# Altium PCB 2226_RegThermique.PcbDoc (part 1 of 2) (continued)
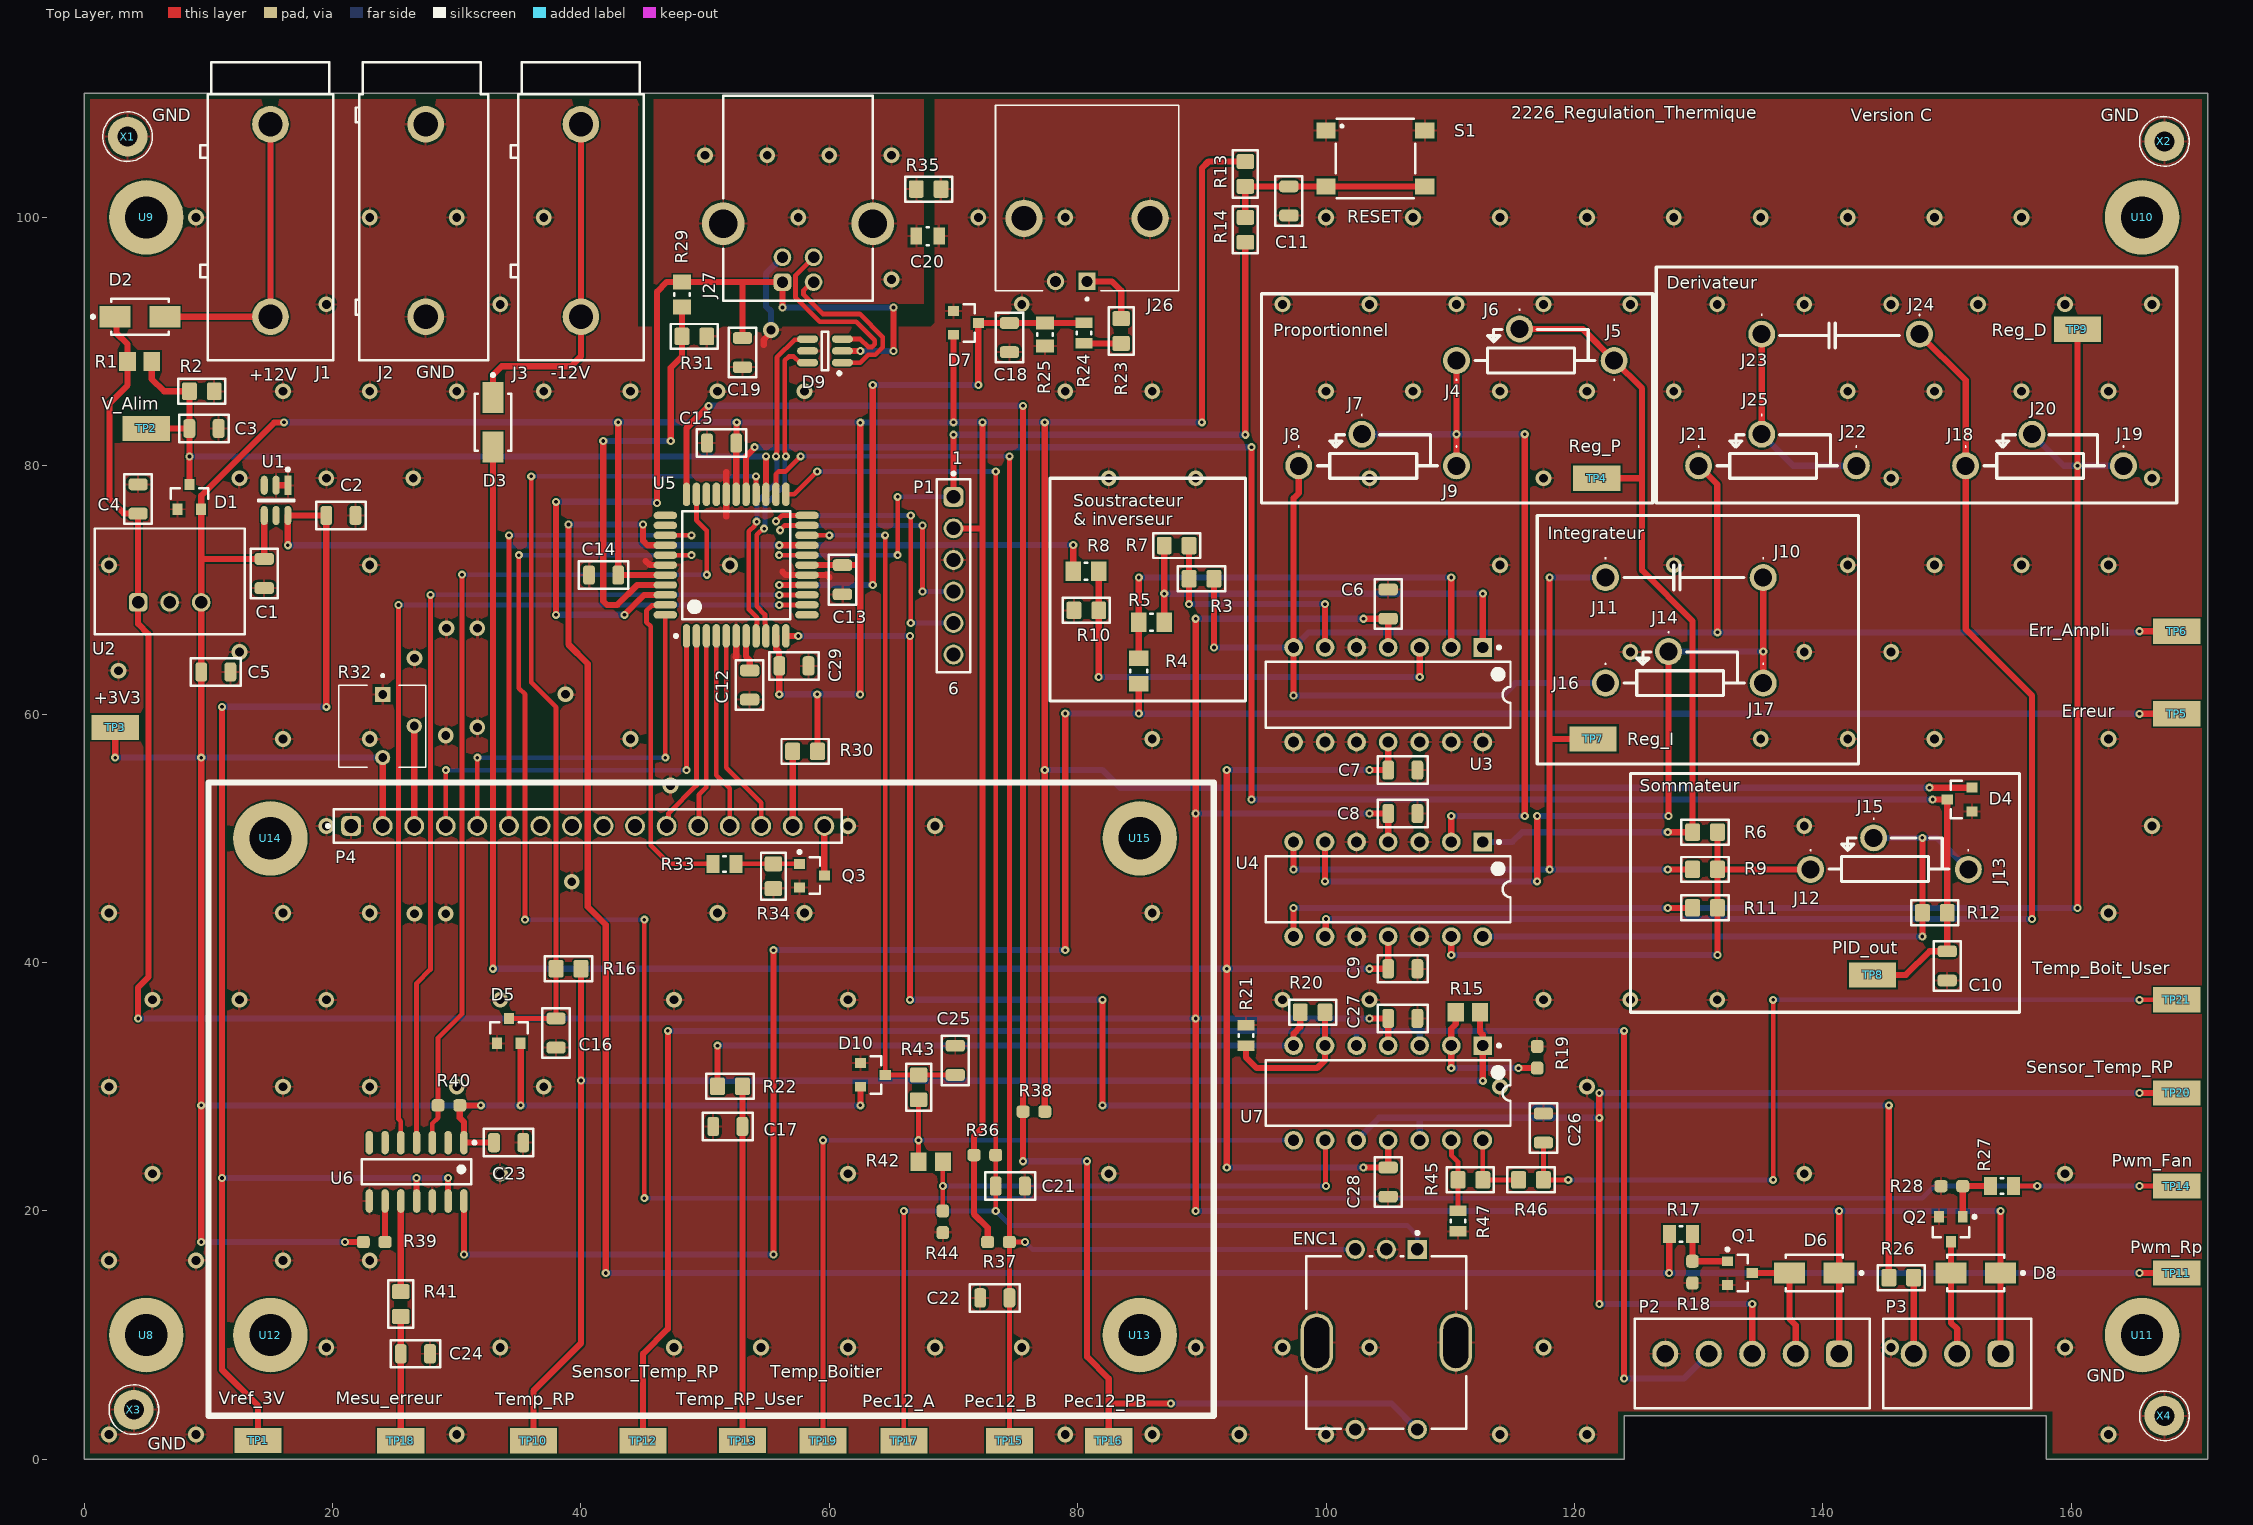
[diagram p0: Top Layer view]
## Components (designator, comment, footprint, x,y, rotation, side; value= is the part's Value field where it differs from the comment)
C1 "100nF" CAPC2012X08M 14.5,71.325 r90 top
C2 "100nF" CAPC2012X08M 20.675,76.001 r180 top
C3 "100nF" CAPC2012X08M 9.65,83.002 r180 top
C4 "10uF" CAPC2012X08M 4.345,77.325 r270 top value=10µF
C5 "10uF" CAPC2012X08M 10.6,63.398 r180 top value=10µF
C6 "100nF" CAPC2012X08M 105,68.861 r270 top
C7 "100nF" CAPC2012X08M 106.175,55.5 r180 top
C8 "100nF" CAPC2012X08M 106.175,52 r180 top
C9 "100nF" CAPC2012X08M 106.175,39.5 r180 top
C10 "100nF" CAPC2012X08M 150.015,39.73 r90 top
C11 "100nF" CAPC2012X08M 97,101.325 r90 top
C12 "10uF" CAPC2012X08M 53.586,62.347 r90 top value=10µF
C13 "100nF" CAPC2012X08M 61.05,70.825 r90 top
C14 "100nF" CAPC2012X08M 41.825,71.2 r0 top
C15 "100nF" CAPC2012X08M 51.325,81.831 r0 top
C16 "100nF" CAPC2012X08M 38,34.325 r90 top
C17 "100nF" CAPC2012X08M 51.825,26.8 r0 top
C18 "100nF" CAPC2012X08M 74.5,90.326 r90 top
C19 "100nF" CAPC2012X08M 53,89.116 r90 top
C20 "4.7nF" FP-AC0805-0_85-MFG 67.925,98.5 r0 top value="4.7 nF"
C21 "10uF" CAPC2012X08M 74.575,22 r180 top value=10µF
C22 "10uF" CAPC2012X08M 73.325,13 r0 top value=10µF
C23 "10uF" CAPC2012X08M 34.175,25.5 r180 top value=10µF
C24 "100nF" CAPC2012X08M 26.671,8.5 r180 top
C25 "100nF" CAPC2012X08M 70.14,32.125 r270 top
C26 "100nF" CAPC2012X08M 117.5,26.675 r270 top
C27 "100nF" CAPC2012X08M 106.175,35.5 r180 top
C28 "100nF" CAPC2012X08M 105,22.325 r90 top
C29 "100nF" CAPC2012X08M 57.151,63.891 r180 top
D1 "BAT54S-7-F" FP-SOT23-MFG 8.475,77.5 r90 top
D2 "SK56A" FP-SMA-MFG 4.5,92 r0 top
D3 "SK56A" FP-SMA-MFG 32.91,83.505 r270 top
D4 "BAT54S-7-F" FP-SOT23-MFG 151.015,53.13 r180 top
D5 "BAT54S-7-F" FP-SOT23-MFG 34.2,34.5 r90 top
D6 "SK56A" FP-SMA-MFG 139.315,15 r180 top
D7 "BAT54S-7-F" FP-SOT23-MFG 71,91.501 r0 top
D8 "SK56A" FP-SMA-MFG 152.315,15 r180 top
D9 "USBLC6-2" STM-SOT23-6L_V 59.65,89.25 r180 top
D10 "BAT54S-7-F" FP-SOT23-MFG 63.5,30.95 r0 top
ENC1 "PEC12R-4220F-S0024" FP-PEC12R-4220F-S0024-MFG 104.85,9.4 r180 top
J1 "24.243.1" FP-24_243_1-MFG 14.7,100.5 r270 top
J2 "24.243.2" FP-24_243_2-MFG 27.2,100.5 r270 top
J3 "24.243.5" FP-24_243_5-MFG 39.7,100.5 r270 top
J4 "0338-0-15-15-15-27-10-0" 0338015151527100 110.5,88.475 r180 top locked
J5 "0338-0-15-15-15-27-10-0" 0338015151527100 123.2,88.475 r180 top locked
J6 "0338-0-15-15-15-27-10-0" 0338015151527100 115.58,91.015 r0 top locked
J7 "0338-0-15-15-15-27-10-0" 0338015151527100 102.88,82.54 r0 top locked
J8 "0338-0-15-15-15-27-10-0" 0338015151527100 97.8,80 r0 top locked
J9 "0338-0-15-15-15-27-10-0" 0338015151527100 110.5,80 r0 top locked
J10 "0338-0-15-15-15-27-10-0" 0338015151527100 135.2,71 r0 top locked
J11 "0338-0-15-15-15-27-10-0" 0338015151527100 122.5,71 r0 top locked
J12 "0338-0-15-15-15-27-10-0" 0338015151527100 139.015,47.5 r0 top
J13 "0338-0-15-15-15-27-10-0" 0338015151527100 151.715,47.5 r0 top locked
J14 "0338-0-15-15-15-27-10-0" 0338015151527100 127.58,65.04 r0 top
J15 "0338-0-15-15-15-27-10-0" 0338015151527100 144.095,50.04 r0 top
J16 "0338-0-15-15-15-27-10-0" 0338015151527100 122.5,62.5 r0 top
J17 "0338-0-15-15-15-27-10-0" 0338015151527100 135.2,62.5 r0 top locked
J18 "0338-0-15-15-15-27-10-0" 0338015151527100 151.5,80 r0 top locked
J19 "0338-0-15-15-15-27-10-0" 0338015151527100 164.2,80 r0 top locked
J20 "0338-0-15-15-15-27-10-0" 0338015151527100 156.85,82.54 r0 top locked
J21 "0338-0-15-15-15-27-10-0" 0338015151527100 130,80 r0 top locked
J22 "0338-0-15-15-15-27-10-0" 0338015151527100 142.7,80 r0 top locked
J23 "0338-0-15-15-15-27-10-0" 0338015151527100 135.08,90.6 r0 top locked
J24 "0338-0-15-15-15-27-10-0" 0338015151527100 147.78,90.6 r0 top locked
J25 "0338-0-15-15-15-27-10-0" 0338015151527100 135.08,82.54 r0 top locked
J26 "CONBNC002" LINX_CONBNC002 80.754,99.927 r180 top
J27 "61400416121" 61400416121 57.48,101.53 r180 top
P1 "61300611121" 61300611121 70,71.15 r270 top
P2 "691321100005" 691321100005 134.315,7.7 r180 top
P3 "691321100003" 691321100003 150.815,7.7 r180 top
P4 "61301611121" 61301611121 40.55,51 r0 top locked
Q1 "MGSF1N03LT1G" ONSC-SOT-23-3-318-08_V 133.315,15 r0 top
Q2 "MGSF1N03LT1G" ONSC-SOT-23-3-318-08_V 150.315,18.525 r270 top
Q3 "MGSF1N03LT1G" ONSC-SOT-23-3-318-08_V 58.6,47 r0 top
R1 "30k" RESC2013X50X40ML20T20 4.475,88.4 r180 top
R2 "10k" RESC2012X06M 9.475,86 r180 top
R3 "10k" RESC2012X06M 89.97,70.9 r0 top
R4 "3k" RESC2013X60X30ML20T20 84.92,63.475 r90 top
R5 "20k" RESC2013X60X30ML20T20 85.945,67.4 r0 top
R6 "10k" RESC2012X06M 130.515,50.5 r0 top
R7 "10k" RESC2012X06M 87.97,73.575 r0 top
R8 "13k" RESC2013X60X30ML20T20 80.667,71.5 r0 top
R9 "10k" RESC2012X06M 130.515,47.5 r0 top
R10 "10k" RESC2012X06M 80.692,68.361 r0 top
R11 "10k" RESC2012X06M 130.515,44.401 r0 top
R12 "560R" RESC2012X06M 149.015,44 r0 top value=560
R13 "10k" RESC2012X06M 93.5,103.5 r90 top
R14 "1k0" RESC2012X06M 93.5,99 r270 top value=1k
R15 "20k" RESC2013X55X40ML15T20 111.42,36 r0 top
R16 "560R" RESC2012X06M 39,39.5 r180 top value=560
R17 "200R" RESC2013X50X30NL20T20 128.575,18.15 r0 top
R18 "10k" RESC1608X06M 129.5,15.075 r90 top
R19 "10k" RESC1608X06M 117,32.375 r90 top
R20 "180k" RESC2012X06M 98.92,36 r180 top
R21 "20k" RESC2013X60X30LL20T20 93.55,34.135 r270 top
R22 "560R" RESC2012X06M 52,30.028 r0 top value=560
R23 "680k" RESC2012X06M 83.5,90.85 r270 top
R24 "20k" RESC2013X60X30LL20T20 80.5,90.675 r270 top
R25 "300k" RESC2013X50X30NL20T20 77.376,90.576 r90 top
R26 "1k5" RESC2012X06M 146.315,14.625 r180 top value=1.5k
R27 "200R" RESC2013X50X30NL20T20 154.425,22 r180 top
R28 "10k" RESC1608X06M 150.39,22 r0 top
R29 "51k" RESC2013X60X35ML10T20 48.135,93.79 r270 top
R30 "15R" RESC2012X06M 58.05,57 r0 top value=15
R31 "100k" RESC2012X06M 49.135,90.416 r180 top
R32 "1k" TRIM_3362P-1-102LF 24.04,59.04 r270 top
R33 "200R" RESC2013X50X30NL20T20 51.575,47.95 r180 top
R34 "100k" RESC2012X06M 55.5,46.95 r270 top
R35 "1M" RESC2012X06M 68,102.28 r0 top
R36 "10k" RESC1608X06M 72.525,24.5 r180 top
R37 "10k" RESC1608X06M 73.625,17.5 r180 top
R38 "10k" RESC1608X06M 76.475,28 r0 top
R39 "10k" RESC1608X06M 23.351,17.5 r180 top
R40 "10k" RESC1608X06M 29.371,28.5 r0 top
R41 "150R" RESC2012X06M 25.496,12.5 r90 top value=150
R42 "20k" RESC2013X55X40ML15T20 68.165,23.95 r180 top
R43 "560R" RESC2012X06M 67.19,29.95 r90 top value=560
R44 "10k" RESC1608X06M 69.14,19.125 r270 top
R45 "180k" RESC2012X06M 111.62,22.5 r0 top
R46 "560R" RESC2012X06M 116.5,22.5 r0 top value=560
R47 "20k" RESC2013X60X30LL20T20 110.62,19.175 r90 top
S1 "430182043816" 430182043816 103.975,104.75 r0 top
TP1 "Vref_3V" KSTN-5019_V 14,1.524 r0 top
TP2 "I_Mesure" KSTN-5019_V 5,83.003 r180 top value=5019
TP3 "3,3V" KSTN-5019_V 2.5,58.936 r0 top value=5019
TP4 "Reg_P" KSTN-5019_V 121.8,79 r0 top value=5019
TP5 "Erreur" KSTN-5019_V 168.5,60.03 r0 top
TP6 "Erreur_ampli" KSTN-5019_V 168.5,66.675 r0 top
TP7 "Reg_I" KSTN-5019_V 121.5,58.011 r0 top value=5019
TP8 "PID_OUT" KSTN-5019_V 144,39 r0 top value=5019
TP9 "Reg_D" KSTN-5019_V 160.5,91 r0 top value=5019
TP10 "Temp_MCU" KSTN-5019_V 36.175,1.499 r0 top
TP11 "PWM_RP" KSTN-5019_V 168.5,15 r0 top value=5019
TP12 "Sensor_Temp" KSTN-5019_V 45,1.5 r0 top
TP13 "Temp_User" KSTN-5019_V 53,1.504 r0 top
TP14 "PWM_Fan" KSTN-5019_V 168.5,22 r0 top value=5019
TP15 "P12_B" KSTN-5019_V 74.5,1.5 r180 top value=5019
TP16 "P12_PB" KSTN-5019_V 82.5,1.499 r0 top value=5019
TP17 "P12_A" KSTN-5019_V 66.015,1.501 r0 top value=5019
TP18 "Mesure_Erreur" KSTN-5019_V 25.496,1.5 r180 top
TP19 "Temp_MCU" KSTN-5019_V 59.5,1.5 r0 top
TP20 "Sensor_Temp" KSTN-5019_V 168.5,29.5 r0 top
TP21 "Temp_User" KSTN-5019_V 168.5,37 r180 top
U1 "LT1790-3.0" FP-S6-6-05-08-1636-IPC_A 15.45,77.216 r270 top
U2 "173950336" WPME-FDSM_SIP-3_L11.6W7.55H10.16 6.885,70.7 r0 top
U3 "LM6134BIN" N14A 105,61.561 r270 top
U4 "LM6134BIN" N14A 105,45.901 r270 top
U5 "PIC32MX230F064D-I/PT" MCHP-TQFP-PT44_M 52.5,72 r90 top
U6 "MCP4922-E/SL" SOIC-SL14_L 26.766,23.15 r270 top
U7 "LM6134BIN" N14A 105,29.5 r270 top
U8 "3.4" MECH-PHD340#1 90,23 r90 top
U9 "3.4" MECH-PHD340#2 16.5,97.5 r90 top
U10 "3.4" MECH-PHD340#3 94.5,30.5 r90 top
U11 "3.4" MECH-PHD340#4 103.5,25 r90 top
U12 "3.4" MECH-PHD340#5 14,9.5 r90 top
U13 "3.4" MECH-PHD340#6 32.5,26.5 r90 top
U14 "3.4" MECH-PHD340#7 62.5,37 r90 top
U15 "3.4" MECH-PHD340#8 72,19 r90 top
X1 "5011" Keystone_5011 3.5,106.5 r180 top
X2 "5011" Keystone_5011 167.5,106.125 r180 top
X3 "5011" Keystone_5011 4,4 r180 top
X4 "5011" Keystone_5011 167.5,3.5 r180 top

## Footprints (in the part's own frame and the unit in brackets; to place one, negate y for a bottom-side part, rotate by r counter-clockwise, add the part's x,y. Pads: shape width x height; smd on the part's side, far side on the other; paste and mask are expansions set on the pad)
61300611121 [mm] "Pin Header, pitch 2.54 mm, THT, Vertical, single row, 6p"
  rrect50% 1.6x1.6 hole 1.1: 1(-6.35,0)
  round 1.6 hole 1.1: 2(-3.81,0) 3(-1.27,0) 4(1.27,0) 5(3.81,0) 6(6.35,0)
  silkscreen extent -8.34,-1.35 7.77,1.35, body extent -7.62,-1.27 7.62,1.27, height 8.57
61301611121 [mm] "Pin Header, pitch 2.54 mm, THT, Vertical, single row, 16p"
  rrect50% 1.6x1.6 hole 1.1: 1(-19.05,0)
  round 1.6 hole 1.1: 2(-16.51,0) 3(-13.97,0) 4(-11.43,0) 5(-8.89,0) 6(-6.35,0) 7(-3.81,0) 8(-1.27,0) 9(1.27,0) 10(3.81,0) 11(6.35,0) 12(8.89,0) 13(11.43,0) 14(13.97,0) 15(16.51,0) 16(19.05,0)
  silkscreen extent -21.04,-1.35 20.47,1.35, body extent -20.32,-1.27 20.32,1.27, height 8.57
61400416121 [mm] "USB 2.0 Type B Horizontal"
  rrect50% 1.42x1.42 hole 0.92: 1(1.25,6.74)
  round 1.42 hole 0.92: 2(-1.25,6.74) 3(-1.25,4.74) 4(1.25,4.74)
  round 3.45 hole 2.3: Shell(-6.02,2.03) Shell(6.02,2.03)
  silkscreen extent -6.02,-8.25 6.02,8.25, body extent -7.48,-8.25 7.48,8.25, height 11.15
430182043816 [mm]
  rect 1.55x1.3 smd: 1(-3.975,2.25) 2(-3.975,-2.25) 3(3.975,2.25) 4(3.975,-2.25)
  silkscreen extent -3.2,-3.2 3.2,3.2, body extent -5,-3 5,3, height 9.5
691321100003 [mm] "Vertical PCB Header, pitch 3.5mm, 03p"
  rrect50% 2.1x2.1 hole 1.4: 1(-3.5,-0.8)
  round 2.1 hole 1.4: 2(0,-0.8) 3(3.5,-0.8)
  silkscreen extent -5.95,-3.6 5.95,3.6, body extent -5.95,-3.6 5.95,3.6, height 9.3
691321100005 [mm] "Vertical PCB Header, pitch 3.5mm, 05p"
  rrect50% 2.1x2.1 hole 1.4: 1(-7,-0.8)
  round 2.1 hole 1.4: 2(-3.5,-0.8) 3(0,-0.8) 4(3.5,-0.8) 5(7,-0.8)
  silkscreen extent -9.45,-3.6 9.45,3.6, body extent -9.45,-3.6 9.45,3.6, height 9.3
0338015151527100 [mm]
  round 2.172 hole 1.448: 1(0,0)
  silkscreen extent -0.05,1.5 0.05,1.6
CAPC2012X08M [mm] "Chip Capacitor, 2-Leads, Body 2.00x1.25mm, IPC Low Density"
  rrect50% 0.95x1.55 smd: 1(-1.175,0) 2(1.175,0)
  silkscreen extent -2,-1.1 2,1.1, body extent -1.1,-0.72 1.1,0.72, height 0.85
FP-24_243_1-MFG [mm]
  round 2.95 hole 1.95 paste-2539.97 mask+0: 1(-7,0.3) 1(8.5,0.3)
  silkscreen extent -12,-5.35 12,5.35, body extent -12,-5.35 12,5.35, height 13.08
FP-24_243_2-MFG [mm]
  round 2.95 hole 1.95 paste-2539.97 mask+0: 1(-7,0.3) 1(8.5,0.3)
  silkscreen extent -12,-5.35 12,5.35, body extent -12.1,-5.45 12.1,5.45, height 0.25
FP-24_243_5-MFG [mm]
  round 2.95 hole 1.95 paste-2539.97 mask+0: 1(-7,0.3) 1(8.5,0.3)
  silkscreen extent -12,-5.35 12,5.35, body extent -12.1,-5.45 12.1,5.45, height 0.25
FP-AC0805-0_85-MFG [mm]
  rect 0.95x1.4 smd paste+0 mask+0: 1(-0.925,0) 2(0.925,0)
  silkscreen extent -0.08,-0.72 0.08,0.72, body extent -1.6,-1.05 1.6,1.05, height 0.25
FP-PEC12R-4220F-S0024-MFG [mm]
  round 1.55 hole 1 paste-2539.97 mask+0: 1(-2.5,7) 2(2.5,7) B(2.5,-7.5) C(0,-7.5)
  rrect100% 2.6x4.7 hole 4.1 slot 2 at 0 deg paste-2539.97 mask+0: 3(-5.6,0) 4(5.6,0)
  rect 1.55x1.55 hole 1 paste-2539.97 mask+0: A(-2.5,-7.5)
  silkscreen extent -6.45,-8.95 6.45,6.95, body extent -7,-8.37 7,7.88, height 0.25
FP-S6-6-05-08-1636-IPC_A [mm]
  rect 1.54x0.566 smd paste+0 mask+0: 1(-1.216,0.95)
  rrect100% 1.54x0.566 smd paste+0 mask+0: 2(-1.216,0) 3(-1.216,-0.95) 4(1.216,-0.95) 5(1.216,0) 6(1.216,0.95)
  silkscreen extent -2.61,-1.45 0.05,1.45, body extent -2.49,-1.95 2.49,1.95, height 0.25
FP-SMA-MFG [mm]
  rect 2.5x1.7 smd paste+0 mask+0: 1(-2,0) 2(2,0)
  silkscreen extent -3.92,-1.46 2.3,1.46, body extent -3.35,-1.56 3.35,1.56, height 0.25
FP-SOT23-MFG [mm]
  rect 0.9x0.8 smd paste+0 mask+0: 1(-1,0.95) 2(-1,-0.95) 3(1,0)
  silkscreen extent -0.18,-1.5 0.7,1.5, body extent -1.55,-1.6 1.55,1.6, height 0.25
Keystone_5011 [mm]
  round 3.2 hole 1.6 paste-2539.97: 1(0,0)
  silkscreen extent -2,-2 2,2, body extent -1.59,-1.59 1.59,1.59, height 8.13
KSTN-5019_V [mm] "Test Point, 1-Leads, Body 3.81x2.03mm"
  rect 3.8x2.03 smd: 1(0,0)
  body extent -1.9,-1.01 1.9,1.02, height 2.29
LINX_CONBNC002 [mm]
  rect 1.398x1.398 hole 0.89: 1(0,5.08)
  round 1.398 hole 0.89: 2(2.54,5.08)
  round 3 hole 2: S1(-5.08,0) S2(5.08,0)
  silkscreen extent -7.37,-9.12 7.37,6.6, body extent -7.95,-29.38 7.95,5.82, height 14.89
MCHP-TQFP-PT44_M [mm] "QFN, 44-Leads, Body 10x10mm, Pitch 0.8mm, IPC Low Density"
  oval 1.9x0.6 smd: 1(-5.7,4) 2(-5.7,3.2) 3(-5.7,2.4) 4(-5.7,1.6) 5(-5.7,0.8) 6(-5.7,0) 7(-5.7,-0.8) 8(-5.7,-1.6) 9(-5.7,-2.4) 10(-5.7,-3.2) 11(-5.7,-4) 23(5.7,-4) 24(5.7,-3.2) 25(5.7,-2.4) 26(5.7,-1.6) 27(5.7,-0.8) 28(5.7,0) 29(5.7,0.8) 30(5.7,1.6) 31(5.7,2.4) 32(5.7,3.2) 33(5.7,4)
  oval 0.6x1.9 smd: 12(-4,-5.7) 13(-3.2,-5.7) 14(-2.4,-5.7) 15(-1.6,-5.7) 16(-0.8,-5.7) 17(0,-5.7) 18(0.8,-5.7) 19(1.6,-5.7) 20(2.4,-5.7) 21(3.2,-5.7) 22(4,-5.7) 34(4,5.7) 35(3.2,5.7) 36(2.4,5.7) 37(1.6,5.7) 38(0.8,5.7) 39(0,5.7) 40(-0.8,5.7) 41(-1.6,5.7) 42(-2.4,5.7) 43(-3.2,5.7) 44(-4,5.7)
  silkscreen extent -5.82,-4.35 4.35,4.97, body extent -5,-5 5,5, height 1.2
MECH-PHD340#1 [mm] "Plated hole 3.4mm"
  round 6 hole 3.4 paste-2539.97: 1(-13,85)
MECH-PHD340#2 [mm] "Plated hole 3.4mm"
  round 6 hole 3.4 paste-2539.97: 1(2.5,11.5)
MECH-PHD340#3 [mm] "Plated hole 3.4mm"
  round 6 hole 3.4 paste-2539.97: 1(69.5,-71.2)
MECH-PHD340#4 [mm] "Plated hole 3.4mm"
  round 6 hole 3.4 paste-2539.97: 1(-15,-62.2)
MECH-PHD340#5 [mm] "Plated hole 3.4mm"
  round 6 hole 3.4 paste-2539.97: 1(0.5,-1)
MECH-PHD340#6 [mm] "Plated hole 3.4mm"
  round 6 hole 3.4 paste-2539.97: 1(-16.5,-52.5)
MECH-PHD340#7 [mm] "Plated hole 3.4mm"
  round 6 hole 3.4 paste-2539.97: 1(13,47.5)
MECH-PHD340#8 [mm] "Plated hole 3.4mm"
  round 6 hole 3.4 paste-2539.97: 1(31,-13)
N14A [mm] "DIP, 14-Pin, Row Spacing 7.62 mm, Pitch 2.54 mm"
  rect 1.5x1.5 hole 0.9: 1(-3.81,7.62)
  round 1.5 hole 0.9: 2(-3.81,5.08) 3(-3.81,2.54) 4(-3.81,0) 5(-3.81,-2.54) 6(-3.81,-5.08) 7(-3.81,-7.62) 8(3.81,-7.62) 9(3.81,-5.08) 10(3.81,-2.54) 11(3.81,0) 12(3.81,2.54) 13(3.81,5.08) 14(3.81,7.62)
  silkscreen extent -3.93,-9.85 2.65,9.85, body extent -3.55,-9.85 3.55,9.85, height 5.33
ONSC-SOT-23-3-318-08_V [mm] "SOT23, 3-Leads, Body 2.92x1.3mm, Pitch 0.95mm"
  rect 0.9x0.8 smd: 1(-1,0.95) 2(-1,-0.95) 3(1,0)
  silkscreen extent -1.12,-1.46 0.65,2.02, body extent -0.65,-1.46 0.65,1.46, height 1.11
RESC1608X06M [mm] "Chip Resistor, 2-Leads, Body 1.60x0.80mm, IPC Low Density"
  rrect50% 1.05x1 smd: 1(-0.875,0) 2(0.875,0)
  body extent -0.85,-0.45 0.85,0.45, height 0.55
RESC2012X06M [mm] "Chip Resistor, 2-Leads, Body 2.00x1.25mm, IPC Low Density"
  rrect25% 1.2x1.4 smd: 1(-1,0) 2(1,0)
  silkscreen extent -1.9,-1 1.9,1, body extent -1.05,-0.63 1.05,0.63, height 0.6
RESC2013X50X30NL20T20 [mm] "Chip Resistor, 2-Leads, Body 2.00x1.25mm, IPC Medium Density"
  rect 1.05x1.45 smd: 1(-0.925,0) 2(0.925,0)
  silkscreen extent -0.1,-0.63 0.1,0.63, body extent -1.1,-0.72 1.1,0.72, height 0.5
RESC2013X50X40ML20T20 [mm] "Chip Resistor, 2-Leads, Body 2.00x1.25mm, IPC Low Density"
  rect 1.35x1.55 smd: 1(-0.975,0) 2(0.975,0)
  body extent -1.1,-0.72 1.1,0.72, height 0.5
RESC2013X55X40ML15T20 [mm] "Chip Resistor, 2-Leads, Body 2.00x1.25mm, IPC Low Density"
  rect 1.3x1.5 smd: 1(-0.975,0) 2(0.975,0)
  body extent -1.07,-0.7 1.08,0.7, height 0.55
RESC2013X60X30LL20T20 [mm] "Chip Resistor, 2-Leads, Body 2.00x1.25mm, IPC High Density"
  rect 0.85x1.35 smd: 1(-0.825,0) 2(0.825,0)
  silkscreen extent -0.1,-0.58 0.1,0.58, body extent -1.1,-0.72 1.1,0.72, height 0.6
RESC2013X60X30ML20T20 [mm] "Chip Resistor, 2-Leads, Body 2.00x1.25mm, IPC Low Density"
  rect 1.25x1.55 smd: 1(-1.025,0) 2(1.025,0)
  silkscreen extent -0.1,-0.67 0.1,0.67, body extent -1.1,-0.72 1.1,0.72, height 0.6
RESC2013X60X35ML10T20 [mm] "Chip Resistor, 2-Leads, Body 2.00x1.25mm, IPC Low Density"
  rect 1.2x1.45 smd: 1(-1,0) 2(1,0)
  silkscreen extent -0.1,-0.63 0.1,0.63, body extent -1.05,-0.67 1.05,0.67, height 0.6
SOIC-SL14_L [mm] "SOIC, 14-Leads, Body 8.7x3.9mm, Pitch 1.27mm, IPC High Density"
  oval 1.9x0.6 smd: 1(-2.35,3.81) 2(-2.35,2.54) 3(-2.35,1.27) 4(-2.35,0) 5(-2.35,-1.27) 6(-2.35,-2.54) 7(-2.35,-3.81) 8(2.35,-3.81) 9(2.35,-2.54) 10(2.35,-1.27) 11(2.35,0) 12(2.35,1.27) 13(2.35,2.54) 14(2.35,3.81)
  silkscreen extent -2.47,-4.4 1,4.79, body extent -2,-4.38 2,4.38, height 1.75
STM-SOT23-6L_V [mm] "SOT23, 6-Leads, Body 3.05x1.75mm, Pitch 0.95mm"
  rrect100% 1.7x0.6 smd: 1(-1.4,0.95) 2(-1.4,0) 3(-1.4,-0.95) 4(1.4,-0.95) 5(1.4,0) 6(1.4,0.95)
  silkscreen extent -1.28,-1.55 0.25,1.92, body extent -1.6,-1.53 1.6,1.53, height 1.45
TRIM_3362P-1-102LF [mm]
  rect 1.222x1.222 hole 0.714: 1(-2.54,0)
  round 1.222 hole 0.714: 2(0,2.54) 3(2.54,0)
  silkscreen extent -4.16,-3.53 3.3,3.47, body extent -3.3,-3.49 3.3,3.49, height 4.88
WPME-FDSM_SIP-3_L11.6W7.55H10.16 [mm]
  rrect50% 1.5x1.5 hole 1: 1(-2.54,-1.7)
  round 1.5 hole 1: 2(0,-1.7) 3(2.54,-1.7)
  silkscreen extent -6.05,-4.25 6.05,4.25, body extent -5.8,-4 5.8,4, height 10.5

## Part data
C1 C2 C3 C6 C7 C8 C9 C10 C11 C13 C14 C15 C16 C17 C18 C19 C24 C25 C26 C27 C28 C29: library part CMP-065-000038-2, "CAPC 100nF X7R 50V 10% 2012 (0805 INCH)", Dielectric=X7R, Manufacturer=TDK, Manufacturer Number=C2012X7R1H104K085AA, Supplier Part Number 1="FAB.0805_C 100n", TemperatureRange="-55°C to +125°C", Tolerance=±10%, Voltage=50V, Category=Passives, IsStocked=1, PN=PN-747862, SubCategory="Condensateurs ceramique", Supplier 1=ETML, Supplier Price 1=0.0200
C4 C5 C12 C21 C22 C23: library part CMP-065-000040-2, "CAPC 10uF X5R 16V 10% 2012 (0805 INCH)", Dielectric=X5R, Manufacturer=TDK, Manufacturer Number=C2012X5R1C106K085AC, Supplier Part Number 1="FAB.0805_C 10u", TemperatureRange="-55°C to +85°C", Tolerance=±10%, Voltage=16V, Category=Passives, IsStocked=1, PN=PN-654987, SubCategory="Condensateurs ceramique", Supplier 1=ETML, Supplier Price 1=0.0360
C20: library part CMP-03422-000574-1, "CAP CER 4700PF 100V X7R 0805 / AC0805KRX7R0BB472", Capacitance="4.7 nF", Manufacturer=Yageo, Manufacturer Part Number=AC0805KRX7R0BB472, Package=AC0805-0.85, Temperature="-55°C to +125°C", Temperature Characteristic=X7R, Temperature Coefficient=15%, Temperature Range High=+125°C, Temperature Range Low=-55°C, Tolerance=0.1, Voltage Rating="100 V", Automotive=Yes, Automotive Grade="Grade 1", Category=Cap, ComponentLink2Description=Datasheet, ComponentLink2URL=http://www.yageo.com/documents/recent/UPY-AC_NP0X7R_16V-to-630V_12.pdf, Device Class L1="Passive Components", Device Class L2=Capacitors, Device Class L3="Ceramic Capacitors", Digikey Description="CAP CER 4700PF 100V X7R 0805", Footprint Url=http://www.yageo.com/exep/pages/download/literatures/UPY-C_GEN_24.pdf, Height=0.95mm, Ipc Land Pattern Name=CAPC200125X85, Lead Free=Yes, Material=Ceramic, Octopart=https://octopart.com/ac0805krx7r0bb472-yageo-78873433, RoHS=TRUE
D1 D4 D5 D7 D10: library part CMP-1667-00006-2, "DIODE ARRAY SCHOTTKY 30V SOT23-3", Average Rectified Current=200mA, Capacitance=10pF, Case/Package=SOT-23, Forward Voltage=800mV, Max Forward Surge Current (Ifsm)=600mA, Max Operating Temperature=150°C, Max Power Dissipation=200mW, Max Repetitive Reverse Voltage (Vrrm)=30V, Min Operating Temperature=-65°C, Package Quantity=3000, Peak Reverse Current=2uA, Contact Plating=Tin, Current Rating=200mA, Forward Current=200mA, Height=1mm, Lead Free="Lead Free", Length=2.9mm, Max Reverse Voltage (DC)=30V, Mount="Surface Mount", Number of Pins=3, Packaging="Tape and Reel", Peak Non-Repetitive Surge Current=600mA, Power Dissipation=200mW, Power Rating=200mW, Radiation Hardening=No, REACH SVHC="No SVHC", Reverse Recovery Time=5ns, Termination=SMD/SMT, Voltage Rating (DC)=30V, Weight=0.000282oz, Width=1.3mm
D2 D3 D6 D8: library part CMP-12791-000002-1, "DIODE SBR 50V 5A SMA", Forward Current=5A, Manufacturer="Diodes Inc.", Max Junction Temp=+150°C, Max Repetitive Reverse Voltage=50V, Max Surge Forward Current=70A, Package=SMA, Peak Reverse Current=30uA, Temperature="-55°C to +150°C", Temperature Range Low=-55°C, Automotive=No, Category=Diode, ComponentLink2Description=Datasheet, ComponentLink2URL=https://www.diodes.com/assets/Datasheets/SBRT5A50SA.pdf, Device Class L1="Discrete Semiconductors", Device Class L2=Diodes, Device Class L3="Rectifier Diodes", Digikey Description="DIODE SBR 50V 5A SMA", Footprint Url=https://www.diodes.com/assets/Package-Files/SMA.pdf, Height=2.4mm, Lead Free=Yes, Manufacturer Part Number=SK56A, Mouser Description="DIODE SBR 50V 5A SMA", Octopart=https://octopart.com/sbrt5a50sa-13-diodes+inc.-46962091, RoHS=TRUE, Standoff Height=0.05mm, Temperature Range High=+150°C
ENC1: library part CMP-07421-000021-1, "ROTARY ENCODER MECHANICAL 24PPR", Max Operating Temperature=70°C, Max Supply Voltage (DC)=5V, Min Operating Temperature=-30°C, Package Quantity=150, Built in Switch=Yes, Detent=Yes, Encoder Type=Mechanical, Height=13.4mm, Hole Diameter=2mm, Length=26mm, Mount="Through Hole", Number of Channels=2, Orientation=Vertical, Output Type=Quadrature, Packaging=Bulk, Pulses per Revolution=24, REACH SVHC="No SVHC", RoHS Compliant=Yes, Series=PEC12R, Termination="PC Pin", Width=12.5mm
J1: library part CMP-12400-000001-2, "Banana Test Connector, 4mm, Socket, PCB Mount, 24 A, 60 VDC, Silver Plated Contacts, RED", Current Rating=20A, Voltage Rating=30V, Contact Material=Brass, Contact Plating=Silver, Gender=Male, Length=24mm, REACH SVHC="No SVHC", RoHS Compliant=Yes, Termination=Solder, Voltage Rating (DC)=30V
J2: library part CMP-12400-000002-2, "RECEPTACLE, 20A, 4MM, PCB, SOLDER, BLACK", Current Rating=20A, Contact Material=Brass, Contact Plating=Silver, Gender=Male, Length=24mm, REACH SVHC="No SVHC", Termination=Solder
J3: library part CMP-12400-000003-1, "Banana Test Connector, 4mm, Socket, PCB Mount, 24 A, 60 VDC, Silver Plated Contacts, BLUE", Current Rating=20A, Contact Material=Brass, Contact Plating=Silver, Gender=Male, Length=24mm, REACH SVHC="No SVHC", RoHS Compliant=Yes, Termination=Solder
J4 J5 J6 J7 J8 J9 J10 J11 J12 J13 J14 J15 J16 J17 J18 J19 J20 J21 J22 J23 J24 J25: "Circuit Board Hardware - PCB SOLDER MOUNT", Manufacturer_Name=Mill-Max, Mouser Part Number=575-0338015, Datasheet Link=https://componentsearchengine.com/Datasheets/1/0338-0-15-15-15-27-10-0.pdf, Geometry.Height=0.7874mm, Manufacturer_Part_Number=0338-0-15-15-15-27-10-0, Mouser Price/Stock=https://www.mouser.com/Search/Refine.aspx?Keyword=575-0338015
J26: "BNC Connector Jack, Female Socket 50Ohm Panel Mount, Through Hole, Right Angle Solder", Package=None, Availability="In Stock", Check_prices=https://www.snapeda.com/parts/CONBNC002/Linx/view-part/?ref=eda, MF="Linx Technologies Inc.", MP=CONBNC002, Price=None, Purchase-URL=https://pricing.snapeda.com/search/part/CONBNC002/?ref=eda, SnapEDA_Link=https://www.snapeda.com/parts/CONBNC002/Linx/view-part/?ref=snap
J27: library part CMP-1502-03243-3, Color=White, Contact Resistance=20mΩ, Current Rating=1.5A, Flammability Rating="UL94 V-0", Insulation Resistance=1GΩ, Max Operating Temperature=105°C, Min Operating Temperature=-40°C, Operating Supply Voltage=30V, Connector Type=USB, Contact Material=Gold, Contact Plating=Gold, Gender=Receptacle, Height=11.25mm, Insulation Material=PBT, Length=14.7mm, Mount="Horizontal, PCB, Through Hole", NexarPartId=21041529, Number Of Contacts=4, Number of Pins=4, Number of Ports=1, Number of Positions=4, Orientation=Horizontal, REACH SVHC=Unknown, RoHS=Compliant, Termination=Solder, USB Standard="USB 2.0", Voltage Rating=30V, Voltage Rating (DC)=30V, Width=16.2mm
P1: "WR-PHD Pin Header, THT, Vertical, pitch 2.54mm, 1 Row, 6P", Contact Resistance=20mOhm, Manufacturer="Wurth Elektronik", Operating Temperature Max=105°C, Operating Temperature Min=-40°C, Rated Current=3A, Withstanding Voltage=500V, Working Voltage=250V, Category="Board-to-Board Connectors", ComponentLink1Description="Website Link", ComponentLink1URL=https://www.we-online.com/redexpert/article/61300611121?ad, ComponentLink2Description="Datasheet Link", ComponentLink2URL=https://www.we-online.com/redexpert/spec/61300611121?ad, Gender="Pin Header", Manufacturer Part Number=61300611121, Match Code=WR-PHD, Mount="Through Hole", Number of Pins=6, Number of Rows=1, Orientation=Vertical, Packaging=Bag, Pitch=2.54mm
P2: library part CMP-1502-01786-3, "3211; 3.5MM Pitch Straight Pluggable Term Block, Pcb Header, Through Hole, 5 Way", Color=Green, Current=10A, Voltage=300V, Contact Material=Brass, Gender=Male, Height=12.7mm, Lead Pitch=3.5mm, Length=7mm, Mount="Through Hole", Number Of Contacts=5, Number of Levels=1, Number of Pins=5, Number of Positions Per Level=5, Number of Rows=1, Orientation=Vertical, Packaging=Box, Pitch=3.5052mm, RoHS=Compliant, Termination=Solder, Width=22.1mm
P3: library part CMP-1502-01784-3, "3211; 3.5MM Pitch Straight Pluggable Term Block, Pcb Header, Through Hole, 3 Way", Color=Green, Current=10A, Current Rating=10.5A, Voltage=300V, Contact Gender=Male, Contact Material=Brass, Gender=Male, Height=12.7mm, Lead Free="Lead Free", Lead Pitch=3.5mm, Length=7mm, Mount="Through Hole", Number Of Contacts=3, Number of Levels=1, Number of Pins=3, Number of Positions Per Level=3, Number of Rows=1, Orientation=Vertical, Packaging=Box, Pitch=3.5052mm, RoHS=Compliant, Termination=Solder, Width=15.1mm
P4: "WR-PHD Pin Header, THT, Vertical, pitch 2.54mm, 1 Row, 16P", Contact Resistance=20mOhm, Manufacturer="Wurth Elektronik", Operating Temperature Max=105°C, Operating Temperature Min=-40°C, Rated Current=3A, Withstanding Voltage=500V, Working Voltage=250V, Category="Board-to-Board Connectors", ComponentLink1Description="Website Link", ComponentLink1URL=https://www.we-online.com/redexpert/article/61301611121?ad, ComponentLink2Description="Datasheet Link", ComponentLink2URL=https://www.we-online.com/redexpert/spec/61301611121?ad, Gender="Pin Header", Manufacturer Part Number=61301611121, Match Code=WR-PHD, Mount="Through Hole", Number of Pins=16, Number of Rows=1, Orientation=Vertical, Packaging=Bag, Pitch=2.54mm
Q1 Q2 Q3: library part CMP-1058-00778-1, "Power MOSFET, 30 V, 2.1 A, Single N-Channel, 3-Pin SOT-23, Pb-Free, Tape and Reel", Manufacturer="On Semiconductor", Package Type=SOT-23-3, Channel Polarity="N Channel", Ciss Typ (pF)=140, ComponentLink1Description="Manufacturer URL", ComponentLink1URL=http://www.onsemi.com/, ComponentLink2Description=Datasheet, ComponentLink2URL=http://www.onsemi.cn/pub_link/Collateral/MGSF1N03LT1-D.PDF, ComponentLink3Description="Package Specification", ComponentLink3URL=http://www.onsemi.cn/pub_link/Collateral/318-08.PDF, Configuration=Single, Coss Typ (pF)=100, Crss Typ (pF)=40, DatasheetVersion="Rev. 10", ID Max (A)=2.1, Mounting Technology="Surface Mount", PackageDescription="3-Pin Small Outline Transistor, Body 2.92 x 1.3 mm, Pitch 0.95 mm", PackageReference=SOT-23-3-318-08, PackageVersion="Rev. AP, 11/2009", Packing="Tape and Reel", PartNumber=MGSF1N03LT1G, RoHS=Pb-Free, V(BR)DSS Min (V)=30, VGS Max (V)=20, VGS(th) Max (V)=2.4
R1: library part CMP-2001-04849-1, "RG2012N-303-W-T1 / RG 0805 (2012Metric) Chip Resistor / +-0.05% +-10ppm/C 30kOhm 0.125W 1/8W", Manufacturer=Susumu, Part Number=RG2012N-303-W-T1
R2 R3 R6 R7 R9 R10 R11 R13: library part CMP-066-000199-2, "RES 10kohm  ±1% 0.125W 2012 (0805 INCH)", Manufacturer=Yageo, Manufacturer Number=RC0805FR-0710KL, Power=0.125W, Supplier Part Number 1="FAB.0805_R 10k", TemperatureCoeff=±200ppm/°C, TemperatureRange="-55°C to 155°C", Tolerance=±1%, Voltage=150V, Category=Passives, IsStocked=1, PN=PN-374909, SubCategory="Resistances couche epaisse", Supplier 1=ETML, Supplier Price 1=0.0200
R4: library part CMP-2001-02300-1, "RK73H2ATTD3001F / res Thick Film 0805 3k Ohm 1% 0.25W (1/4W) +- 100ppm/C Pad SMD Automotive T/R", Manufacturer="KOA Speer", Part Number=RK73H2ATTD3001F
R5: library part CMP-2001-04585-1, "RK73B2ATTD203J / Res Thick Film 0805 3k Ohm 1% 0.25W (1/4W)  / +-100ppm/C Pad SMD Automotive T/R", Manufacturer="KOA Speer", Part Number=RK73B2ATTD203J
R8: library part CMP-2001-02060-1, "RK73H2ATTD1302F / Res Thick Film 0805 13k Ohm 1% 0.25W (1/4W) / +-100ppm/C Pad SMD T/R Automative AEC-Q200", Manufacturer="KOA Speer", Part Number=RK73H2ATTD1302F
R12 R16 R22 R43 R46: library part CMP-066-000184-2, "RES 560ohm  ±1% 0.125W 2012 (0805 INCH)", Manufacturer=Yageo, Manufacturer Number=RC0805FR-07560RL, Power=0.125W, Supplier Part Number 1="FAB.0805_R 560R", TemperatureCoeff=±200ppm/°C, TemperatureRange="-55°C to 155°C", Tolerance=±1%, Voltage=150V, Category=Passives, IsStocked=1, PN=PN-839284, SubCategory="Resistances couche epaisse", Supplier 1=ETML, Supplier Price 1=0.0200
R14: library part CMP-066-000187-2, "RES 1.0kohm  ±1% 0.125W 2012 (0805 INCH)", Manufacturer=Yageo, Manufacturer Number=RC0805FR-071KL, Power=0.125W, Supplier Part Number 1="FAB.0805_R 1k0", TemperatureCoeff=±200ppm/°C, TemperatureRange="-55°C to 155°C", Tolerance=±1%, Voltage=150V, Category=Passives, IsStocked=1, PN=PN-746409, SubCategory="Resistances couche epaisse", Supplier 1=ETML, Supplier Price 1=0.0200
R15 R42: library part CMP-2001-04747-1, "Résistance de 20k / TNPW080520K0BEEN", Manufacturer="Vishay Dale", Part Number=TNPW080520K0BEEN
R17 R27 R33: library part CMP-2001-03663-1, "Résistance 200 Ohm 0805 / CRCW0805200RFKEA", Manufacturer="Vishay Dale", Part Number=CRCW0805200RFKEA
R18 R19 R28 R36 R37 R38 R39 R40 R44: library part CMP-066-000124-2, "RES 10kohm  ±1% 0.1W  1608 (0603 INCH)", Manufacturer=Yageo, Manufacturer Number=RC0603FR-0710KL, Power=0.1W, Supplier Part Number 1="FAB.0603_R 10k", TemperatureCoeff=±100ppm/°C, TemperatureRange="-55°C to 155°C", Tolerance=±1%, Voltage=75V, Category=Passives, IsStocked=1, PN=PN-896786, SubCategory="Resistances couche epaisse", Supplier 1=ETML, Supplier Price 1=0.0200
R20 R45: library part CMP-066-000214-2, "RES 180kohm  ±1% 0.125W 2012 (0805 INCH)", Manufacturer=Yageo, Manufacturer Number=RC0805FR-07180KL, Power=0.125W, Supplier Part Number 1="FAB.0805_R 180k", TemperatureCoeff=±200ppm/°C, TemperatureRange="-55°C to 155°C", Tolerance=±1%, Voltage=150V, Category=Passives, IsStocked=1, PN=PN-810533, SubCategory="Resistances couche epaisse", Supplier 1=ETML, Supplier Price 1=0.0200
R21 R24 R47: library part CMP-2001-02185-1, "RK73H2ATTD2002F", Manufacturer="KOA Speer", Part Number=RK73H2ATTD2002F
R23: library part CMP-066-000221-2, "RES 680kohm  ±1% 0.125W 2012 (0805 INCH)", Manufacturer=Yageo, Manufacturer Number=RC0805FR-07680KL, Power=0.125W, Supplier Part Number 1="FAB.0805_R 680k", TemperatureCoeff=±200ppm/°C, TemperatureRange="-55°C to 155°C", Tolerance=±1%, Voltage=150V, Category=Passives, IsStocked=1, PN=PN-293825, SubCategory="Resistances couche epaisse", Supplier 1=ETML, Supplier Price 1=0.0200
R25: library part CMP-2001-03797-1, "Res Thick film 0805 300k Ohm 5% 0.125W(1/8W) +-200ppm/C  / Pad SMD T/R Automotive AEC-Q200 / CRCW0805300KJNEA", Manufacturer="Vishay Dale", Part Number=CRCW0805300KJNEA
R26: library part CMP-066-000189-2, "RES 1.5kohm  ±1% 0.125W 2012 (0805 INCH)", Manufacturer=Yageo, Manufacturer Number=RC0805FR-071K5L, Power=0.125W, Supplier Part Number 1="FAB.0805_R 1k5", TemperatureCoeff=±200ppm/°C, TemperatureRange="-55°C to 155°C", Tolerance=±1%, Voltage=150V, Category=Passives, IsStocked=1, PN=PN-984492, SubCategory="Resistances couche epaisse", Supplier 1=ETML, Supplier Price 1=0.0200
R29: library part CMP-2001-04552-1, "Résistance 51k Ohm, 0805 / RC0805FR-1051KL", Manufacturer=Yageo, Part Number=RC0805FR-1051KL
R30: library part CMP-066-000165-2, "RES 15ohm  ±1% 0.125W 2012 (0805 INCH)", Manufacturer=Yageo, Manufacturer Number=RC0805FR-0715RL, Power=0.125W, Supplier Part Number 1="FAB.0805_R 15R", TemperatureCoeff=±200ppm/°C, TemperatureRange="-55°C to 155°C", Tolerance=±1%, Voltage=150V, Category=Passives, IsStocked=1, PN=PN-827493, SubCategory="Resistances couche epaisse", Supplier 1=ETML, Supplier Price 1=0.0200
R31 R34: library part CMP-066-000211-2, "RES 100kohm  ±1% 0.125W 2012 (0805 INCH)", Manufacturer=Yageo, Manufacturer Number=RC0805FR-07100KL, Power=0.125W, Supplier Part Number 1="FAB.0805_R 100k", TemperatureCoeff=±200ppm/°C, TemperatureRange="-55°C to 155°C", Tolerance=±1%, Voltage=150V, Category=Passives, IsStocked=1, PN=PN-903408, SubCategory="Resistances couche epaisse", Supplier 1=ETML, Supplier Price 1=0.0200
R32: library part 3362P-1-102LF, "1 kOhms 0.5W, 1/2W PC Pins Through Hole Trimmer Potentiometer Cermet 1 Turn Top Adjustment", Package="3116 Bourns", Availability=Warning, Check_prices=https://www.snapeda.com/parts/3362P-1-102LF/Bourns/view-part/468358/?ref=eda, MF=Bourns, MP=3362P-1-102LF, Price=None, Purchase-URL=https://pricing.snapeda.com/search/part/3362P-1-102LF/?ref=eda, SnapEDA_Link=https://www.snapeda.com/parts/3362P-1-102LF/Bourns/view-part/468358/?ref=snap
R35: library part CMP-066-000223-2, "RES 1.0Mohm  ±1% 0.125W 2012 (0805 INCH)", Manufacturer=Yageo, Manufacturer Number=RC0805FR-071ML, Power=0.125W, Supplier Part Number 1="FAB.0805_R 1M", TemperatureCoeff=±200ppm/°C, TemperatureRange="-55°C to 155°C", Tolerance=±1%, Voltage=150V, Category=Passives, IsStocked=1, PN=PN-531908, SubCategory="Resistances couche epaisse", Supplier 1=ETML, Supplier Price 1=0.0200
R41: library part CMP-066-000177-2, "RES 150ohm  ±1% 0.125W 2012 (0805 INCH)", Manufacturer=Yageo, Manufacturer Number=RC0805FR-07150RL, Power=0.125W, Supplier Part Number 1="FAB.0805_R 150R", TemperatureCoeff=±200ppm/°C, TemperatureRange="-55°C to 155°C", Tolerance=±1%, Voltage=150V, Category=Passives, IsStocked=1, PN=PN-455993, SubCategory="Resistances couche epaisse", Supplier 1=ETML, Supplier Price 1=0.0200
S1: "Tactile Switch SPST-NO Top Actuated Surface Mount", Package=None, Availability="In Stock", Check_prices=https://www.snapeda.com/parts/430182043816/Wurth+Electronics+Inc./view-part/?ref=eda, MF="Wurth Electronics", MP=430182043816, Price=None, SnapEDA_Link=https://www.snapeda.com/parts/430182043816/Wurth+Electronics+Inc./view-part/?ref=snap
TP1 TP2 TP3 TP4 TP5 TP6 TP7 TP8 TP9 TP10 TP11 TP12 TP13 TP14 TP15 TP16 TP17 TP18 TP19 TP20 TP21: library part CMP-1672-00008-1, "Test Point, 1 Position SMD, RoHS, Tape and Reel", Package Quantity=1000, ComponentLink1Description="Manufacturer URL", ComponentLink1URL=http://www.keyelco.com/, ComponentLink2Description=Datasheet, ComponentLink2URL=http://www.keyelco.com/product-pdf.cfm?p=1357, Contact Plating=Silver, DatasheetVersion=03/2014, Mount="Surface Mount", Mounting Technology="Surface Mount", PackageDescription="1-Pin Surface Mount Device, Body 3.81 x 2.03 mm", PackageReference=5019, Packaging="Tape and Reel", Pins=1, RoHSCompliant=True
U1: library part CMP-09137-000028-1, "IC VREF SERIES 0.05% TSOT23-6", Case/Package=SOT-23-6, Max Operating Temperature=85°C, Max Output Voltage=3.3V, Min Operating Temperature=-40°C, Operating Supply Current=80uA, Output Current=5mA, Package Quantity=1, Quiescent Current=60uA, Temperature Coefficient=10ppm/°C, Tolerance=0.05%, Lead Free="Lead Free", Min Output Voltage=3.3V, Mount="Surface Mount", Number of Channels=1, Number of Pins=6, Output Type=Fixed, Output Voltage=3.3V, Packaging="Tape and Reel", Reference Type=Series, RoHS Compliant=Yes, Series=-
U2: "WPME-FDSM Fixed Step Down Regulator Module, THT, SIP-3, 4.75-36Vin, 3.3Vout, 0.5Aout", Case/Size Code=SIP-3, Input Voltage Max=36V, Input Voltage Min=4.75V, Manufacturer="Wurth Elektronik", Operating Temperature Max=85°C, Operating Temperature Min=-40°C, Output Current=0.5A, Output Voltage=3.3V, Category="Step Down Converter", ComponentLink1Description="Website Link", ComponentLink1URL=https://www.we-online.com/redexpert/article/173950336?ad, ComponentLink2Description="Datasheet Link", ComponentLink2URL=https://www.we-online.com/redexpert/spec/173950336?ad, Height=10.16mm, Length=11.6mm, Manufacturer Part Number=173950336, Match Code=WPME-FDSM, Mount="Through Hole", Packaging=Tube, Width=7.55mm
U3 U4 U7: library part CMP-0055-00132-2, "Quad Low Power 10 MHz Rail-to-Rail I/O Operational Amplifier, 14-pin MDIP", Manufacturer="National Semiconductor", PackageTopMarking=NSUZXYYTTE#*LM6134BIN, PowerWise=N, Code_JEDEC=MS-001-AA, ComponentLink1Description="LM6134 Datasheet", ComponentLink1URL=http://www.national.com/ds/LM/LM6134.pdf, ComponentLink2Description="LM6134 Web Page", ComponentLink2URL=http://www.national.com/pf/LM/LM6134.html, ComponentLink3Description="N14A Package Page", ComponentLink3URL=http://www.national.com/packaging/folders/n14a.html, CompType=Amplifiers, DatasheetVersion=Nov-2004, PackageDescription="MDIP, .750 x .250 x.130in, 14 Lead, .100in Pitch", PackageReference=N14A, PackageVersion="revG, May-2006", PinCount=14, RevisionNote="Component URLs added", RoHS=N